# KiCad board forage.kicad_pcb
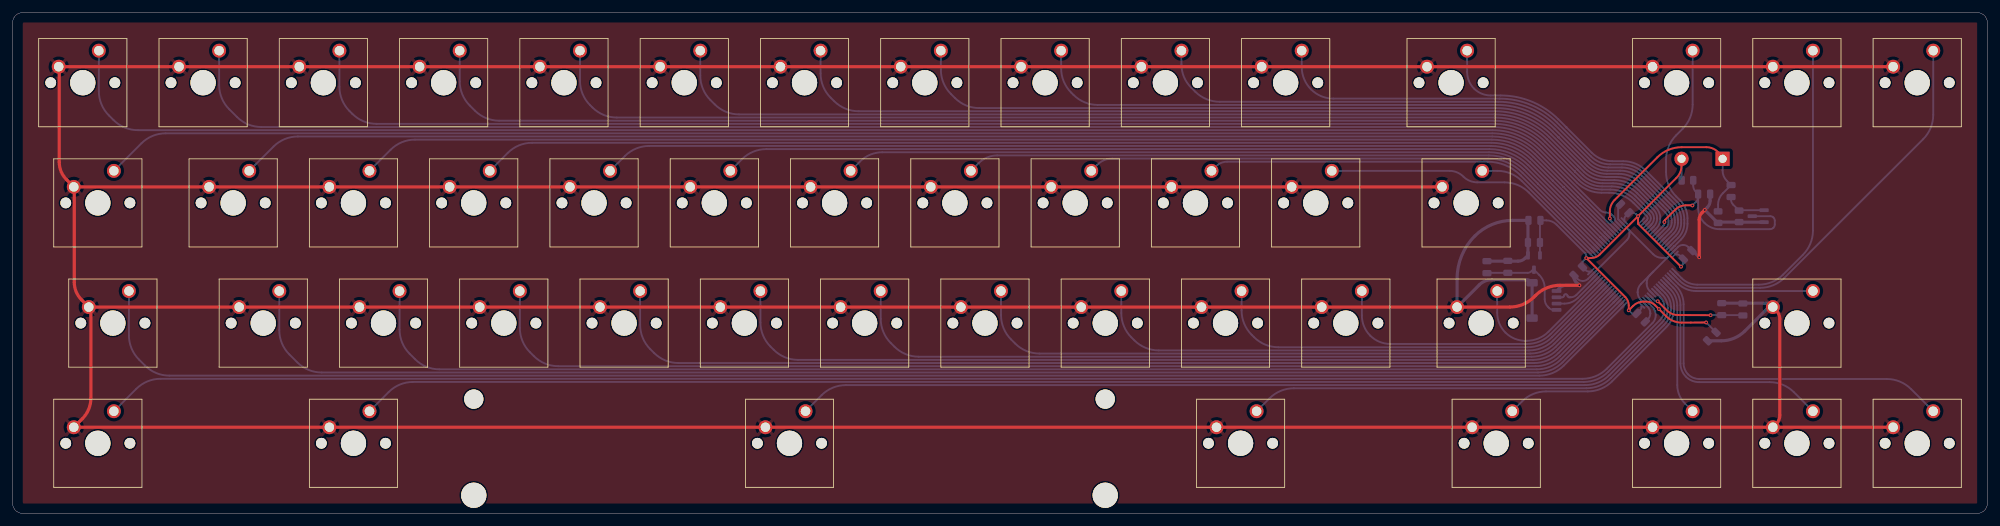
[diagram p0: board, top side]
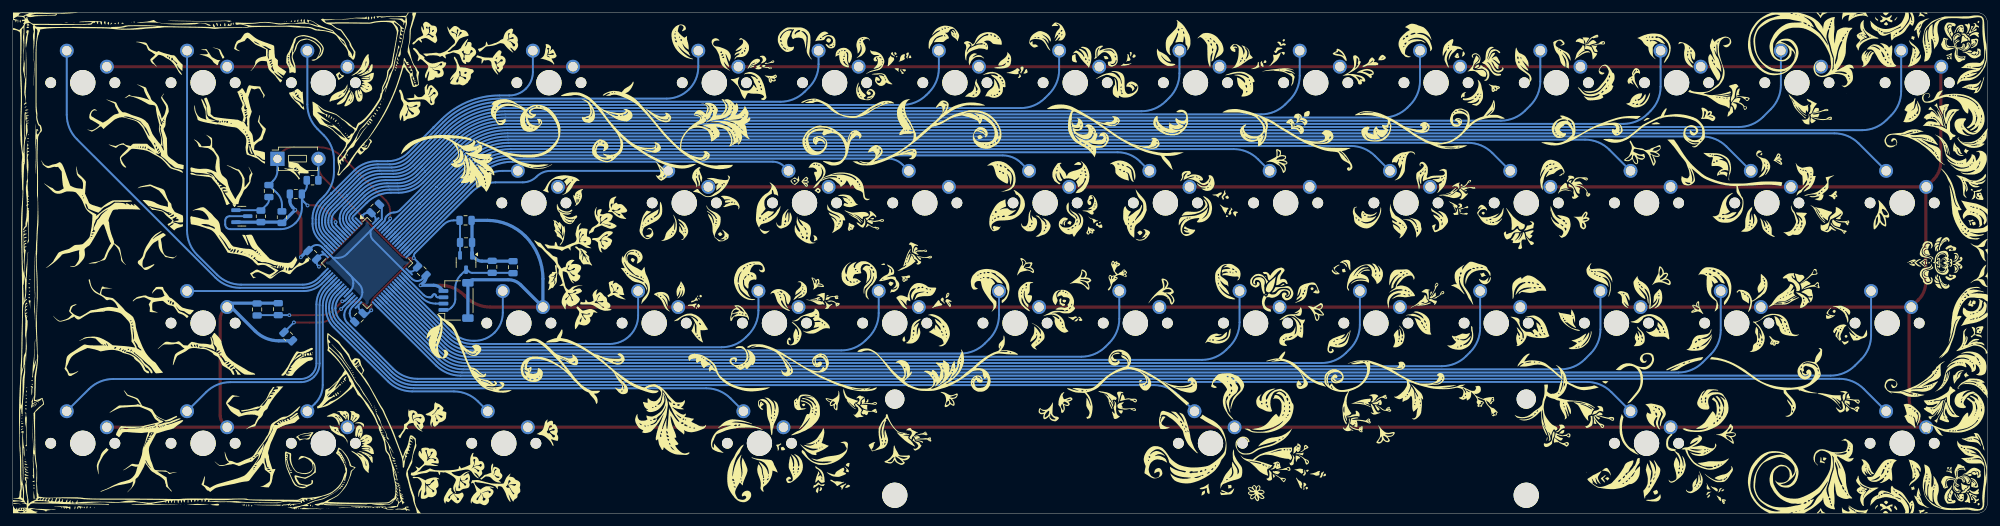
[diagram p1: board, bottom side, seen from below]

Outline 312.74 x 79.38 mm; copper layers: Top, Bottom. Coordinates in mm from the lower left corner of the outline.
Outline path: 0,77.79 arc(0.46,78.91) 1.59,79.38 311.15,79.38 arc(312.27,78.91) 312.74,77.79 312.74,1.59 arc(312.27,0.46) 311.15,0 1.59,0 arc(0.46,0.46) 0,1.59 0,77.79

## Placement (name value [footprint] x y rotation side)
C1  1uF  [C_0805_2012Metric]  270.67 32.37 90 bottom
C2  100nF  [C_0805_2012Metric]  274.02 32.32 90 bottom
C3  100nF  [C_0805_2012Metric]  257.9 31.03 315 bottom
C4  100nF  [C_0805_2012Metric]  255.31 48.32 135 bottom
C5  100nF  [C_0805_2012Metric]  247.94 38.39 225 bottom
C6  100nF  [C_0805_2012Metric]  265.26 40.98 45 bottom
C7  4.7uF  [C_0805_2012Metric]  233.49 39.03 90 bottom
C8  1uF  [C_0805_2012Metric]  236.79 39.08 90 bottom
C9  1uF  [C_0805_2012Metric]  240.93 42.94 180 bottom
C10  4.7uF  [C_0805_2012Metric]  272.15 51.09 270 bottom
C11  470nF  [C_0805_2012Metric]  267.88 50.61 0 bottom
C12  4.7uF  [C_0805_2012Metric]  241.01 46.44 180 bottom
C13  100nF  [C_0805_2012Metric]  269.09 28.03 225 bottom
G***  LOGO  [v7]  155.51 38.91 0 top
J1  Conn_01x04_MountingPin  [JST_SH_SM04B-SRSS-TB_1x04-1MP_P1.00mm_Horizontal]  242.51 33.75 90 bottom
Q1  AO3400A  [SOT-23]  276.44 47.11 180 bottom
R1  10k  [R_0805_2012Metric]  270.09 46.95 270 bottom
R2  100k  [R_0805_2012Metric]  273.42 47.08 270 bottom
R3  10k  [R_0805_2012Metric]  265.24 52.8 0 bottom
SW_A1  SW_Push  [SW_Cherry_MX_1.00u_PCB]  37.47 54.29 0 top
SW_ALT1  SW_Push  [SW_Cherry_MX_1.00u_PCB]  56.52 16.19 0 top
SW_ALTGR1  SW_Push  [SW_Cherry_MX_1.25u_PCB]  197.01 16.19 0 top
SW_APOSTROPHE1  SW_Push  [SW_Cherry_MX_1.50u_PCB]  232.73 54.29 0 top
SW_B1  SW_Push  [SW_Cherry_MX_1.00u_PCB]  118.43 35.24 0 top
SW_BACKSPACE1  SW_Push  [SW_Cherry_MX_1.75u_PCB]  230.35 73.34 0 top
SW_C1  SW_Push  [SW_Cherry_MX_1.00u_PCB]  80.33 35.24 0 top
SW_COMMA1  SW_Push  [SW_Cherry_MX_1.00u_PCB]  175.58 35.24 0 top
SW_CTRL1  SW_Push  [SW_Cherry_MX_1.25u_PCB]  16.03 16.19 0 top
SW_D1  SW_Push  [SW_Cherry_MX_1.00u_PCB]  75.56 54.29 0 top
SW_DELETE1  SW_Push  [SW_Cherry_MX_1.00u_PCB]  285.12 73.34 0 top
SW_DOT1  SW_Push  [SW_Cherry_MX_1.00u_PCB]  194.63 35.24 0 top
SW_DOWN1  SW_Push  [SW_Cherry_MX_1.00u_PCB]  285.12 16.19 0 top
SW_E1  SW_Push  [SW_Cherry_MX_1.00u_PCB]  70.8 73.34 0 top
SW_ENTER1  SW_Push  [SW_Cherry_MX_1.25u_PCB]  235.11 35.24 0 top
SW_ESC1  SW_Push  [SW_Cherry_MX_1.00u_PCB]  13.65 73.34 0 top
SW_F1  SW_Push  [SW_Cherry_MX_1.00u_PCB]  94.61 54.29 0 top
SW_FN1  SW_Push  [SW_Cherry_MX_1.00u_PCB]  237.49 16.19 0 top
SW_G1  SW_Push  [SW_Cherry_MX_1.00u_PCB]  113.67 54.29 0 top
SW_H1  SW_Push  [SW_Cherry_MX_1.00u_PCB]  132.71 54.29 0 top
SW_I1  SW_Push  [SW_Cherry_MX_1.00u_PCB]  166.05 73.34 0 top
SW_INSERT1  SW_Push  [SW_Cherry_MX_1.00u_PCB]  266.06 73.34 0 top
SW_J1  SW_Push  [SW_Cherry_MX_1.00u_PCB]  151.76 54.29 0 top
SW_K1  SW_Push  [SW_Cherry_MX_1.00u_PCB]  170.81 54.29 0 top
SW_L1  SW_Push  [SW_Cherry_MX_1.00u_PCB]  189.87 54.29 0 top
SW_LEFT1  SW_Push  [SW_Cherry_MX_1.00u_PCB]  266.06 16.19 0 top
SW_M1  SW_Push  [SW_Cherry_MX_1.00u_PCB]  156.53 35.24 0 top
SW_N1  SW_Push  [SW_Cherry_MX_1.00u_PCB]  137.48 35.24 0 top
SW_O1  SW_Push  [SW_Cherry_MX_1.00u_PCB]  185.1 73.34 0 top
SW_P1  SW_Push  [SW_Cherry_MX_1.00u_PCB]  204.15 73.34 0 top
SW_PRTSC1  SW_Push  [SW_Cherry_MX_1.00u_PCB]  304.17 73.34 0 top
SW_Q1  SW_Push  [SW_Cherry_MX_1.00u_PCB]  32.7 73.34 0 top
SW_R1  SW_Push  [SW_Cherry_MX_1.00u_PCB]  89.85 73.34 0 top
SW_RESET1  SW_Push  [SW_PUSH_1P1T_6x3.5mm_H4.3_APEM_MJTP1243]  270.8 56.2 180 bottom
SW_RIGHT1  SW_Push  [SW_Cherry_MX_1.00u_PCB]  304.17 16.19 0 top
SW_S1  SW_Push  [SW_Cherry_MX_1.00u_PCB]  56.52 54.29 0 top
SW_SEMICOLON1  SW_Push  [SW_Cherry_MX_1.00u_PCB]  208.92 54.29 0 top
SW_SHIFT1  SW_Push  [SW_Cherry_MX_1.50u_PCB]  18.41 35.24 0 top
SW_SLASH1  SW_Push  [SW_Cherry_MX_1.00u_PCB]  213.68 35.24 0 top
SW_SPACE1  SW_Push  [SW_Cherry_MX_6.25u_PCB]  125.57 16.19 0 top
SW_T1  SW_Push  [SW_Cherry_MX_1.00u_PCB]  108.9 73.34 0 top
SW_TAB1  SW_Push  [SW_Cherry_MX_1.25u_PCB]  16.03 54.29 0 top
SW_U1  SW_Push  [SW_Cherry_MX_1.00u_PCB]  147 73.34 0 top
SW_UP1  SW_Push  [SW_Cherry_MX_1.00u_PCB]  285.12 35.24 0 top
SW_V1  SW_Push  [SW_Cherry_MX_1.00u_PCB]  99.38 35.24 0 top
SW_W1  SW_Push  [SW_Cherry_MX_1.00u_PCB]  51.75 73.34 0 top
SW_X1  SW_Push  [SW_Cherry_MX_1.00u_PCB]  61.28 35.24 0 top
SW_Y1  SW_Push  [SW_Cherry_MX_1.00u_PCB]  127.95 73.34 0 top
SW_Z1  SW_Push  [SW_Cherry_MX_1.00u_PCB]  42.23 35.24 0 top
U1  STM32G431RBTx  [LQFP-64_10x10mm_P0.5mm]  256.6 39.69 225 bottom
U2  XC6206P332MR  [SOT-23-3]  240.93 39.76 270 bottom

## Library data of the parts
C1-C13 = -: Description: Unpolarized capacitor; ki_fp_filters: C_*
J1 = -: Description: Generic connectable mounting pin connector, single row, 01x04, script generated (kicad-library-utils/schlib/autogen/connector/); ki_fp_filters: Connector*:*_1x??-1MP*
Q1 = -: Datasheet: http://www.aosmd.com/pdfs/datasheet/AO3400A.pdf; Description: 30V Vds, 5.7A Id, N-Channel MOSFET, SOT-23; ki_fp_filters: SOT?23*
R1-R3 = -: Description: Resistor; ki_fp_filters: R_*
SW_A1 SW_ALT1 SW_ALTGR1 SW_APOSTROPHE1 SW_B1 SW_BACKSPACE1 SW_C1 SW_COMMA1 SW_CTRL1 SW_D1 SW_DELETE1 SW_DOT1 SW_DOWN1 SW_E1 SW_ENTER1 SW_ESC1 SW_F1 SW_FN1 SW_G1 SW_H1 SW_I1 SW_INSERT1 SW_J1 SW_K1 SW_L1 SW_LEFT1 SW_M1 SW_N1 SW_O1 SW_P1 SW_PRTSC1 SW_Q1 SW_R1 SW_RESET1 SW_RIGHT1 SW_S1 SW_SEMICOLON1 SW_SHIFT1 SW_SLASH1 SW_SPACE1 SW_T1 SW_TAB1 SW_U1 SW_UP1 SW_V1 SW_W1 SW_X1 SW_Y1 SW_Z1 = -: Description: Push button switch, generic, two pins
U1 = -: Datasheet: https://www.st.com/resource/en/datasheet/stm32g431rb.pdf; Description: STMicroelectronics Arm Cortex-M4 MCU, 128KB flash, 32KB RAM, 170 MHz, 1.71-3.6V, 52 GPIO, LQFP64; ki_fp_filters: LQFP*10x10mm*P0.5mm*
U2 = -: Datasheet: https://www.torexsemi.com/file/xc6206/XC6206.pdf; Description: Positive 60-250mA Low Dropout Regulator, Fixed Output, SOT-23; ki_fp_filters: SOT?23?3*

## Footprints (pads in the part's own frame, mm; a bottom-side part is the same pattern mirrored in y, then rotated)
C_0805_2012Metric
  rrect 1x1.45 smd: 1(-0.95,0) 2(0.95,0)
JST_SH_SM04B-SRSS-TB_1x04-1MP_P1.00mm_Horizontal
  rrect 0.6x1.55 smd: 1(-1.5,2) 2(-0.5,2) 3(0.5,2) 4(1.5,2)
  rrect 1.2x1.8 smd: MP(-2.8,-1.875) MP(2.8,-1.875)
LQFP-64_10x10mm_P0.5mm
  rrect 1.55x0.3 smd: 1(-5.675,3.75) 2(-5.675,3.25) 3(-5.675,2.75) 4(-5.675,2.25) 5(-5.675,1.75) 6(-5.675,1.25) 7(-5.675,0.75) 8(-5.675,0.25) 9(-5.675,-0.25) 10(-5.675,-0.75) 11(-5.675,-1.25) 12(-5.675,-1.75) 13(-5.675,-2.25) 14(-5.675,-2.75) 15(-5.675,-3.25) 16(-5.675,-3.75) 33(5.675,-3.75) 34(5.675,-3.25) 35(5.675,-2.75) 36(5.675,-2.25) 37(5.675,-1.75) 38(5.675,-1.25) 39(5.675,-0.75) 40(5.675,-0.25) 41(5.675,0.25) 42(5.675,0.75) 43(5.675,1.25) 44(5.675,1.75) 45(5.675,2.25) 46(5.675,2.75) 47(5.675,3.25) 48(5.675,3.75)
  rrect 0.3x1.55 smd: 17(-3.75,-5.675) 18(-3.25,-5.675) 19(-2.75,-5.675) 20(-2.25,-5.675) 21(-1.75,-5.675) 22(-1.25,-5.675) 23(-0.75,-5.675) 24(-0.25,-5.675) 25(0.25,-5.675) 26(0.75,-5.675) 27(1.25,-5.675) 28(1.75,-5.675) 29(2.25,-5.675) 30(2.75,-5.675) 31(3.25,-5.675) 32(3.75,-5.675) 49(3.75,5.675) 50(3.25,5.675) 51(2.75,5.675) 52(2.25,5.675) 53(1.75,5.675) 54(1.25,5.675) 55(0.75,5.675) 56(0.25,5.675) 57(-0.25,5.675) 58(-0.75,5.675) 59(-1.25,5.675) 60(-1.75,5.675) 61(-2.25,5.675) 62(-2.75,5.675) 63(-3.25,5.675) 64(-3.75,5.675)
R_0805_2012Metric
  rrect 1.025x1.4 smd: 1(-0.912,0) 2(0.912,0)
SOT-23
  rrect 1.475x0.6 smd: 1(-0.938,0.95) 2(-0.938,-0.95) 3(0.938,0)
SOT-23-3
  rrect 1.325x0.6 smd: 1(-1.137,0.95) 2(-1.137,-0.95) 3(1.137,0)
SW_Cherry_MX_1.00u_PCB
  round 1.7 hole 1.7 unplated: (-7.62,-5.08) (2.54,-5.08)
  round 4 hole 4 unplated: (-2.54,-5.08)
  round 2.2 hole 1.5: 1(0,0) 2(-6.35,-2.54)
SW_Cherry_MX_1.25u_PCB
  round 1.7 hole 1.7 unplated: (-7.62,-5.08) (2.54,-5.08)
  round 4 hole 4 unplated: (-2.54,-5.08)
  round 2.2 hole 1.5: 1(0,0) 2(-6.35,-2.54)
SW_Cherry_MX_1.50u_PCB
  round 1.7 hole 1.7 unplated: (-7.62,-5.08) (2.54,-5.08)
  round 4 hole 4 unplated: (-2.54,-5.08)
  round 2.2 hole 1.5: 1(0,0) 2(-6.35,-2.54)
SW_Cherry_MX_1.75u_PCB
  round 1.7 hole 1.7 unplated: (-7.62,-5.08) (2.54,-5.08)
  round 4 hole 4 unplated: (-2.54,-5.08)
  round 2.2 hole 1.5: 1(0,0) 2(-6.35,-2.54)
SW_Cherry_MX_6.25u_PCB
  round 3.05 hole 3.05 unplated: (-52.54,1.92) (47.46,1.92)
  round 4 hole 4 unplated: (-52.54,-13.32) (-2.54,-5.08) (47.46,-13.32)
  round 1.7 hole 1.7 unplated: (-7.62,-5.08) (2.54,-5.08)
  round 2.2 hole 1.5: 1(0,0) 2(-6.35,-2.54)
SW_PUSH_1P1T_6x3.5mm_H4.3_APEM_MJTP1243
  rect 2.25x2.25 hole 1.3: 1(0,0)
  round 2.25 hole 1.3: 2(6.5,0)

## Nets
+3.3V: C3.1 C4.1 C5.1 C6.1 C9.1 C12.1 C13.1 R3.1 SW_RESET1.2 U1.16 U1.29 U1.32 U1.48 U1.64 U2.2
+5V: C7.1 C8.1 J1.1 U2.3
GND: C1.2 C2.2 C3.2 C4.2 C5.2 C6.2 C7.2 C8.2 C9.2 C11.2 C12.2 C13.2 J1.4 J1.MP Q1.2 R1.2 R2.2 SW_A1.2 SW_ALT1.2 SW_ALTGR1.2 SW_APOSTROPHE1.2 SW_B1.2 SW_BACKSPACE1.2 SW_C1.2 SW_COMMA1.2 SW_CTRL1.2 SW_D1.2 SW_DELETE1.2 SW_DOT1.2 SW_DOWN1.2 SW_E1.2 SW_ENTER1.2 SW_ESC1.2 SW_F1.2 SW_FN1.2 SW_G1.2 SW_H1.2 SW_I1.2 SW_INSERT1.2 SW_J1.2 SW_K1.2 SW_L1.2 SW_LEFT1.2 SW_M1.2 SW_N1.2 SW_O1.2 SW_P1.2 SW_PRTSC1.2 SW_Q1.2 SW_R1.2 SW_RIGHT1.2 SW_S1.2 SW_SEMICOLON1.2 SW_SHIFT1.2 SW_SLASH1.2 SW_SPACE1.2 SW_T1.2 SW_TAB1.2 SW_U1.2 SW_UP1.2 SW_V1.2 SW_W1.2 SW_X1.2 SW_Y1.2 SW_Z1.2 U1.15 U1.27 U1.31 U1.47 U1.63 U2.1
A: SW_A1.1 U1.59
ALT: SW_ALT1.1 U1.26
ALTGR: SW_ALTGR1.1 U1.24
APOSTROPHE: SW_APOSTROPHE1.1 U1.50
B: SW_B1.1 U1.38
BACKSPACE: SW_BACKSPACE1.1 U1.13
BOOT: C10.1 R1.1 SW_RESET1.1 U1.61
C: SW_C1.1 U1.36
COMMA: SW_COMMA1.1 U1.41
CTRL: SW_CTRL1.1 U1.30
D: SW_D1.1 U1.57
D+: J1.3 U1.46
D-: J1.2 U1.45
DELETE: SW_DELETE1.1 U1.17
DOT: SW_DOT1.1 U1.42
DOWN: SW_DOWN1.1 U1.21
E: SW_E1.1 U1.4
ENTER: SW_ENTER1.1 U1.44
ESC: SW_ESC1.1 U1.62
F: SW_F1.1 U1.56
FN: SW_FN1.1 U1.23
G: SW_G1.1 U1.55
H: SW_H1.1 U1.54
I: SW_I1.1 U1.10
INSERT: SW_INSERT1.1 U1.14
J: SW_J1.1 U1.53
K: SW_K1.1 U1.52
L: SW_L1.1 U1.51
LEFT: SW_LEFT1.1 U1.22
M: SW_M1.1 U1.40
N: SW_N1.1 U1.39
O: SW_O1.1 U1.11
P: SW_P1.1 U1.12
PRTSC: SW_PRTSC1.1 U1.18
Q: SW_Q1.1 U1.2
R: SW_R1.1 U1.5
RESET: C11.1 Q1.3 R3.2 U1.7
RIGHT: SW_RIGHT1.1 U1.20
S: SW_S1.1 U1.58
SEMICOLON: SW_SEMICOLON1.1 U1.49
SHIFT: SW_SHIFT1.1 U1.33
SLASH: SW_SLASH1.1 U1.43
SPACE: SW_SPACE1.1 U1.25
T: SW_T1.1 U1.6
TAB: SW_TAB1.1 U1.60
U: SW_U1.1 U1.9
UP: SW_UP1.1 U1.19
V: SW_V1.1 U1.37
W: SW_W1.1 U1.3
X: SW_X1.1 U1.35
Y: SW_Y1.1 U1.8
Z: SW_Z1.1 U1.34
Net-(Q1-G): C10.2 Q1.1 R2.1
Net-(U1-VREF+): C1.1 C2.1 U1.28

Pads without a net: U1 1

## Via types
v1: diameter 0.6, hole 0.3, Top to Bottom, 14 vias

## Routing (per net, layer and track width the routed paths; a pad name or vN(x,y) marks a point on that pad's centre or on a via; arc(x,y) is an arc through that point)
+3.3V: length 94.9
  Top w0.3: v1(257.42,47.1) 251.34,41.03 arc(250.73,40.62) 250,40.47 v1(249.21,40.47) 255.4,34.29 arc(255.8,33.68) 255.94,32.97 v1(255.94,32.19) 256.63,32.88 arc(257.39,33.39) 258.28,33.57 258.71,33.57 arc(259.48,33.41) 260.13,32.98 v1(260.72,32.39) 261.84,31.26 arc(262.98,30.51) 264.32,30.24 265.77,30.24 v1(268.19,30.26) 268.2,30.24 ; v1(257.42,47.1) 257.42,45.91 v1(264.22,39.1) ; v1(257.42,47.1) 263.52,53.21 arc(264.1,54.07) 264.3,55.1 SW_RESET1.2
  Bottom w0.3: v1(249.21,40.47) 249.16,40.45 249.14,40.45 ; v1(249.21,40.47) 248.61,39.88 C5.1 249.14,38.53 arc(249.37,38.38) 249.65,38.33 U1.48 ; v1(249.21,40.47) 249.21,40.77 arc(249.16,41.05) 249,41.28 244.5,45.78 arc(243.77,46.27) 242.9,46.44 C12.1 241.88,46.37 U2.2 ; 264.25,39.2 v1(264.22,39.1) 264.41,39.29 arc(264.55,39.49) 264.59,39.73 C6.1 264.06,40.84 arc(263.83,40.99) 263.56,41.05 U1.16 ; SW_RESET1.2 264.3,52.82 R3.1 ; 257.37,47.18 257.44,47.1 v1(257.42,47.1) 257.14,47.38 arc(256.84,47.58) 256.48,47.65 C4.1 255.44,47.11 arc(255.29,46.89) 255.24,46.63 U1.64 ; C13.1 269.75,28.7 v1(268.19,30.26) ; 256.07,32.09 256.02,32.14 v1(255.94,32.19) 256.44,31.7 C3.1 257.76,32.23 arc(257.91,32.46) 257.96,32.73 U1.32 ; U1.29 v1(260.72,32.39)
+5V: length 15.7
  Bottom w0.3: C7.1 233.54,38.13 C8.1 239.93,38.13 arc(240.25,38.19) 240.53,38.37 240.72,38.57 arc(240.78,38.61) 240.85,38.62 U2.3 241.78,37.77 arc(242.41,36.83) 242.63,35.72 242.63,33.96 arc(242.76,33.31) 243.13,32.75 243.32,32.56 arc(243.67,32.33) 244.07,32.25 J1.1
GND: length 1261.8
  Top w0.5: SW_DOWN1.2 279.31,14.2 arc(279.72,14.81) 279.86,15.53 279.86,30.82 arc(279.72,31.54) 279.31,32.15 SW_UP1.2 ; SW_APOSTROPHE1.2 SW_SEMICOLON1.2 SW_TAB1.2 ; 9.69,13.65 11.04,15 arc(12.04,16.5) 12.39,18.26 12.39,32.16 arc(12.35,32.37) 12.23,32.54 12.07,32.7 ; SW_TAB1.2 8.53,52.9 arc(7.68,54.18) 7.38,55.68 7.38,70.67 arc(7.37,70.72) 7.34,70.76 SW_ESC1.2 SW_PRTSC1.2 ; SW_TAB1.2 9.72,51.71 arc(9.75,51.67) 9.76,51.62 9.76,36.63 arc(10.06,35.13) 10.91,33.85 SW_SHIFT1.2 SW_ENTER1.2 237.09,32.7 arc(239.17,33.12) 240.94,34.3 241.2,34.56 arc(242.96,35.74) 245.05,36.15 v1(248.13,36.15) ; SW_RIGHT1.2 SW_CTRL1.2 ; v1(267.09,40.6) 267.09,46.58 arc(267.21,47.16) 267.54,47.65 v1(267.98,48.09)
  Bottom w0.3: 256.05,44.84 256.05,44.28 arc(255.95,43.77) 255.66,43.34 U1.47 249.51,37.19 arc(249.12,36.93) 248.66,36.83 arc(248.19,36.93) 247.8,37.19 C5.2 ; 256.05,44.84 259.81,41.08 arc(260.45,40.65) 261.2,40.5 262.02,40.5 ; 256.05,44.84 U1.63 254.27,46.62 254.27,48.63 C4.2 ; SW_ESC1.2 7.23,70.73 ; C3.2 258.96,30.75 arc(259.25,31.18) 259.35,31.69 259.35,31.74 arc(259.24,32.29) 258.93,32.76 U1.31 257.84,33.86 arc(257.48,34.39) 257.35,35.02 257.35,35.09 arc(257.49,35.78) 257.88,36.37 259.83,38.32 ; 259.83,38.32 262.02,40.5 ; 259.83,38.32 259.31,37.8 arc(258.92,37.22) 258.79,36.54 258.79,36.4 arc(258.91,35.79) 259.26,35.26 U1.27 ; 262.02,40.5 U1.15 263.72,42.2 arc(264.1,42.46) 264.55,42.55 arc(265,42.46) 265.39,42.2 C6.2
  Bottom w0.5: J1.MP J1.MP 240.4,36.79 arc(240.13,36.97) 239.82,37.03 234.25,37.03 arc(233.18,36.82) 232.27,36.21 SW_ENTER1.2 228.76,37.19 arc(229.49,40.86) 231.57,43.97 arc(234.31,45.8) 237.55,46.44 C12.2 239.98,46.37 U2.1 239.52,40.44 arc(239.01,40.1) 238.41,39.98 C7.2 ; C13.2 270.6,27.36 arc(272.61,27.76) 274.32,28.9 277.9,32.48 arc(278.15,32.64) 278.45,32.7 SW_UP1.2 278.15,33.32 C1.2 ; C11.2 268.83,49.54 arc(268.72,48.99) 268.41,48.52 v1(267.98,48.09) 270.02,46.06 arc(270.04,46.05) 270.06,46.04 R1.2 270.22,46.17 R2.2 273.43,46.16 Q1.2 ; C5.2 247.27,37.37 arc(247.34,37.04) 247.52,36.77 v1(248.13,36.15) 246.05,36.15 arc(245.46,36.04) 244.96,35.7 J1.4 ; C6.2 266.04,41.65 v1(267.09,40.6)
A: length 223.9
  Bottom w0.3: SW_A1.1 41.32,58.15 arc(43.09,59.33) 45.17,59.74 234.34,59.74 arc(238.01,59.01) 241.13,56.93 247.91,50.15 U1.59
ALT: length 215.1
  Bottom w0.3: SW_ALT1.1 59.56,19.24 arc(61.33,20.42) 63.41,20.83 248.83,20.83 arc(250.91,21.25) 252.67,22.43 260.83,30.58 arc(261.41,31.46) 261.62,32.49 261.62,32.53 arc(261.42,33.53) 260.85,34.38 U1.26
ALTGR: length 76.6
  Bottom w0.3: SW_ALTGR1.1 199.05,18.24 arc(200.82,19.42) 202.9,19.83 249.24,19.83 arc(251.32,20.25) 253.09,21.43 261.54,29.88 arc(262.34,31.08) 262.62,32.49 262.62,32.73 arc(262.38,33.93) 261.71,34.94 U1.24
APOSTROPHE: length 22.7
  Bottom w0.3: SW_APOSTROPHE1.1 235.15,54.29 arc(237.23,53.88) 239,52.7 U1.50
B: length 147.4
  Bottom w0.3: SW_B1.1 118.43,30.29 arc(118.84,28.21) 120.02,26.44 120.54,25.93 arc(122.3,24.75) 124.39,24.33 240.76,24.33 arc(242.84,24.75) 244.61,25.93 U1.38
BACKSPACE: length 53.2
  Bottom w0.3: SW_BACKSPACE1.1 230.35,69.97 arc(230.63,68.55) 231.44,67.34 arc(232.65,66.53) 234.08,66.24 235.65,66.24 arc(240.6,65.26) 244.8,62.45 250.08,57.17 arc(251.57,56.18) 253.33,55.83 255.07,55.83 arc(257,55.44) 258.63,54.35 263.56,49.42 arc(264.44,48.11) 264.74,46.57 264.74,46 arc(264.49,44.75) 263.78,43.68 U1.13
BOOT: length 36
  Top w0.3: SW_RESET1.1 270.8,56.38 arc(270.77,56.54) 270.68,56.68 270.06,57.3 arc(269.23,57.85) 268.26,58.04 264.33,58.04 arc(262.24,57.63) 260.48,56.45 253.71,49.68 arc(253.15,48.83) 252.95,47.83 v1(252.95,46.75)
  Bottom w0.2: v1(252.95,46.75) 252.9,46.58
  Bottom w0.3: SW_RESET1.1 270.8,54.34 arc(270.98,53.46) 271.47,52.72 C10.1 270.84,50.74 arc(270.29,49.91) 270.09,48.93 R1.1 ; v1(252.95,46.75) 252.95,46.53 U1.61
C: length 187.3
  Bottom w0.3: SW_C1.1 80.33,29.4 arc(80.74,27.32) 81.92,25.55 82.55,24.93 arc(84.31,23.75) 86.4,23.33 241.18,23.33 arc(243.26,23.75) 245.02,24.93 253.56,33.46 U1.36
COMMA: length 87.5
  Bottom w0.3: U1.41 243.99,27.43 arc(242.22,26.25) 240.14,25.83 181.5,25.83 arc(179.41,26.25) 177.65,27.43 177.17,27.9 arc(175.99,29.67) 175.58,31.75 SW_COMMA1.1
CTRL: length 253.3
  Bottom w0.3: SW_CTRL1.1 19.58,19.74 arc(21.35,20.92) 23.43,21.33 248.62,21.33 arc(250.7,21.75) 252.47,22.93 259.69,30.15 arc(260.08,30.74) 260.22,31.43 arc(260.08,32.12) 259.69,32.71 U1.30
D: length 184.6
  Bottom w0.3: U1.57 252.15,44.5 240.55,56.1 arc(237.62,58.06) 234.16,58.74 82.27,58.74 arc(80.19,58.33) 78.42,57.15 SW_D1.1
D+: length 8.1
  Bottom w0.2: 250.65,37.59 U1.46
  Bottom w0.3: J1.3 245.45,34.25 arc(245.61,34.32) 245.68,34.48 245.68,34.49 arc(245.75,34.66) 245.91,34.72 246.02,34.72 arc(246.18,34.66) 246.25,34.49 246.25,34.48 arc(246.32,34.32) 246.48,34.25 246.75,34.25 arc(247.24,34.35) 247.65,34.63 U1.46
D-: length 8
  Bottom w0.3: U1.45 247.86,34.13 arc(246.89,33.48) 245.75,33.25 J1.2
DELETE: length 55.5
  Bottom w0.3: U1.17 264.3,37.29 arc(265.45,36.52) 266.81,36.25 276.54,36.25 arc(278.62,36.67) 280.39,37.85 283.52,40.98 arc(284.7,42.74) 285.12,44.83 SW_DELETE1.1
DOT: length 67.8
  Bottom w0.3: SW_DOT1.1 194.63,32.16 arc(195.04,30.08) 196.22,28.31 196.61,27.93 arc(198.37,26.75) 200.46,26.33 239.93,26.33 arc(242.02,26.75) 243.78,27.93 U1.42 252.21,36.35
DOWN: length 38.3
  Bottom w0.3: SW_DOWN1.1 282.1,19.21 arc(280.33,20.39) 278.25,20.8 267.1,20.8 arc(265.96,21.03) 265,21.67 arc(264.35,22.64) 264.13,23.77 264.13,33.03 arc(263.83,34.52) 262.99,35.78 U1.21
E: length 205.9
  Bottom w0.3: 256.94,50.38 259.52,47.8 arc(259.83,47.34) 259.94,46.79 arc(259.83,46.25) 259.52,45.79 ; 259.52,45.79 U1.4 259.52,45.79 ; SW_E1.1 70.8,68.5 arc(71.22,66.41) 72.4,64.65 73.21,63.84 arc(74.97,62.66) 77.06,62.24 234.62,62.24 arc(238.99,61.37) 242.7,58.89 248.4,53.2 arc(249.92,52.18) 251.71,51.83 253.24,51.83 arc(255.33,51.41) 257.09,50.23
ENTER: length 26
  Bottom w0.3: SW_ENTER1.1 235.11,31.81 arc(235.45,30.11) 236.42,28.66 arc(237.86,27.69) 239.57,27.35 239.76,27.35 arc(241.64,27.73) 243.23,28.79 U1.44
ESC: length 256.4
  Bottom w0.3: SW_ESC1.1 13.65,66.93 arc(14.07,64.84) 15.25,63.08 15.99,62.34 arc(17.75,61.16) 19.84,60.74 234.4,60.74 arc(238.4,59.95) 241.8,57.68 251.38,48.09 arc(251.82,47.8) 252.35,47.69 arc(252.88,47.59) 253.33,47.29 253.58,47.04 arc(253.69,46.87) 253.73,46.67 arc(253.77,46.47) 253.88,46.3 254.39,45.8
F: length 164.9
  Bottom w0.3: SW_F1.1 96.97,56.65 arc(98.74,57.83) 100.82,58.24 234.06,58.24 arc(237.42,57.57) 240.27,55.67 U1.56
FN: length 37.1
  Bottom w0.3: U1.23 262.13,35.22 arc(262.86,34.13) 263.12,32.84 263.12,32.49 arc(262.8,30.88) 261.89,29.52 253.29,20.93 arc(251.53,19.75) 249.45,19.33 242.85,19.33 arc(240.8,18.92) 239.06,17.76 SW_FN1.1
G: length 145.3
  Bottom w0.3: U1.55 251.44,43.79 240.04,55.19 arc(237.21,57.08) 233.88,57.74 119.37,57.74 arc(117.29,57.33) 115.52,56.15 SW_G1.1
H: length 125.6
  Bottom w0.3: SW_H1.1 134.19,55.77 arc(135.82,56.86) 137.75,57.24 233.82,57.24 arc(237.02,56.61) 239.73,54.79 U1.54
I: length 114.5
  Bottom w0.3: SW_I1.1 166.05,70.55 arc(166.47,68.46) 167.65,66.7 168.01,66.34 arc(169.77,65.16) 171.86,64.74 235.05,64.74 arc(239.98,63.76) 244.16,60.97 249.59,55.54 arc(250.94,54.64) 252.53,54.33 254.58,54.33 arc(256.38,53.97) 257.91,52.95 262.41,48.45 arc(263.03,47.53) 263.24,46.44 263.24,46.1 arc(263.09,45.33) 262.65,44.67 U1.10
INSERT: length 34.8
  Bottom w0.3: SW_INSERT1.1 266.06,64.8 arc(265.65,62.72) 264.47,60.95 263.45,59.93 arc(262.27,58.16) 261.85,56.08 261.85,54.09 arc(262.27,52) 263.45,50.24 264.08,49.61 arc(264.94,48.32) 265.24,46.8 265.24,45.89 arc(264.97,44.55) 264.21,43.41 U1.14
J: length 106
  Bottom w0.3: U1.53 239.41,54.41 arc(236.82,56.14) 233.77,56.74 155.95,56.74 arc(154.35,56.42) 152.99,55.52 SW_J1.1
K: length 86.4
  Bottom w0.3: U1.52 239.12,53.99 arc(236.62,55.66) 233.68,56.24 174.14,56.24 arc(172.87,55.99) 171.79,55.27 SW_K1.1
L: length 66.7
  Bottom w0.3: U1.51 238.84,53.56 arc(236.42,55.18) 233.58,55.74 192.34,55.74 arc(191.39,55.55) 190.59,55.02 SW_L1.1
LEFT: length 21.9
  Bottom w0.3: SW_LEFT1.1 264.85,17.41 arc(263.94,18.76) 263.63,20.35 263.63,32.93 arc(263.35,34.32) 262.56,35.5 U1.22
M: length 107.4
  Bottom w0.3: SW_M1.1 156.53,31.42 arc(156.94,29.34) 158.12,27.57 158.77,26.93 arc(160.53,25.75) 162.62,25.33 240.35,25.33 arc(242.43,25.75) 244.2,26.93 U1.40
N: length 127.4
  Bottom w0.3: SW_N1.1 137.48,30.85 arc(137.89,28.77) 139.07,27 139.65,26.43 arc(141.41,25.25) 143.5,24.83 240.56,24.83 arc(242.64,25.25) 244.4,26.43 U1.39
O: length 96
  Bottom w0.3: U1.11 263.06,44.37 arc(263.56,45.13) 263.74,46.03 263.74,46.44 arc(263.49,47.72) 262.77,48.8 258.08,53.48 arc(256.6,54.48) 254.84,54.83 252.72,54.83 arc(251.14,55.14) 249.8,56.03 244.33,61.5 arc(240.19,64.27) 235.3,65.24 191.15,65.24 arc(189.06,65.66) 187.3,66.84 186.63,67.51 arc(185.5,69.2) 185.1,71.19 SW_O1.1
P: length 78.2
  Bottom w0.3: SW_P1.1 204.15,70.76 arc(204.53,68.84) 205.62,67.21 arc(207.25,66.12) 209.17,65.74 235.49,65.74 arc(240.4,64.77) 244.56,61.99 249.97,56.58 arc(251.35,55.65) 252.99,55.33 254.9,55.33 arc(256.79,54.95) 258.4,53.87 263.22,49.05 arc(263.98,47.92) 264.24,46.59 264.24,46.02 arc(264.03,44.94) 263.41,44.02 U1.12
PRTSC: length 64.4
  Bottom w0.3: U1.18 264.02,36.86 arc(265.25,36.04) 266.7,35.75 276.75,35.75 arc(278.83,36.17) 280.6,37.35 302.57,59.32 arc(303.75,61.09) 304.17,63.17 SW_PRTSC1.1
Q: length 241.4
  Bottom w0.3: SW_Q1.1 32.7,67.92 arc(33.12,65.83) 34.3,64.07 35.53,62.84 arc(37.29,61.66) 39.38,61.24 234.46,61.24 arc(238.6,60.42) 242.11,58.07 247.76,52.42 arc(249.53,51.24) 251.61,50.83 252.83,50.83 arc(254.91,50.41) 256.68,49.23 258.82,47.09 arc(258.91,46.96) 258.94,46.79 arc(258.91,46.63) 258.82,46.5 U1.2
R: length 186.9
  Bottom w0.3: SW_R1.1 89.85,68.57 arc(90.27,66.48) 91.45,64.72 91.83,64.34 arc(93.59,63.16) 95.68,62.74 234.67,62.74 arc(239.19,61.84) 243.01,59.29 248.67,53.63 arc(250.12,52.66) 251.82,52.33 253.45,52.33 arc(255.53,51.91) 257.3,50.73 259.88,48.15 arc(260.29,47.53) 260.44,46.79 260.44,46.75 arc(260.3,46.06) 259.91,45.47 U1.5
RESET: length 34.3
  Top w0.3: v1(261.59,46.17) 261.59,46.3 arc(261.62,46.42) 261.68,46.52 263.31,48.15 arc(264.07,48.65) 264.96,48.83 265.87,48.83 arc(265.92,48.83) 265.98,48.82 v1(266.03,48.81) 265.98,48.83 265.95,48.83
  Bottom w0.3: Q1.3 278.35,47.11 arc(278.62,47.05) 278.86,46.9 arc(279.02,46.66) 279.07,46.38 279.07,45.8 arc(279.02,45.52) 278.85,45.27 arc(278.61,45.11) 278.32,45.05 270.33,45.05 arc(269.03,45.31) 267.93,46.05 arc(267.19,47.15) 266.93,48.45 C11.1 ; C11.1 266.54,51 arc(266.25,51.43) 266.15,51.94 R3.2 ; C11.1 266.93,50.16 arc(266.85,49.74) 266.61,49.39 v1(266.03,48.81) ; U1.7 261.44,45.58 arc(261.55,45.75) 261.59,45.96 v1(261.59,46.17) 261.59,45.89
RIGHT: length 57.1
  Bottom w0.3: U1.20 263.42,36.06 arc(264.31,34.71) 264.63,33.13 264.63,23.77 arc(264.82,22.83) 265.35,22.03 arc(266.15,21.49) 267.1,21.3 296.8,21.3 arc(298.88,20.89) 300.65,19.71 SW_RIGHT1.1
S: length 204.2
  Bottom w0.3: U1.58 248.27,49.08 240.83,56.53 arc(237.82,58.54) 234.27,59.24 63.72,59.24 arc(61.64,58.83) 59.87,57.65 SW_S1.1
SEMICOLON: length 46
  Bottom w0.3: SW_SEMICOLON1.1 227.56,54.29 arc(228.74,54.06) 229.75,53.38 arc(230.76,52.71) 231.95,52.47 236.26,52.47 arc(238.34,52.06) 240.11,50.88 U1.49
SHIFT: length 251.7
  Bottom w0.3: SW_SHIFT1.1 18.41,28.23 arc(18.83,26.15) 20.01,24.39 20.97,23.43 arc(22.73,22.25) 24.82,21.83 241.8,21.83 arc(243.88,22.25) 245.65,23.43 U1.33
SLASH: length 48.3
  Bottom w0.3: SW_SLASH1.1 213.68,31.37 arc(214.02,29.64) 215,28.18 arc(216.46,27.2) 218.19,26.85 239.84,26.85 arc(241.84,27.25) 243.53,28.38 U1.43
SPACE: length 147
  Bottom w0.3: SW_SPACE1.1 128.12,18.74 arc(129.88,19.92) 131.97,20.33 249.03,20.33 arc(251.12,20.75) 252.88,21.93 261.18,30.23 arc(261.88,31.27) 262.12,32.49 262.12,32.63 arc(261.9,33.73) 261.28,34.66 U1.25
T: length 168.4
  Bottom w0.3: U1.6 260.34,45.19 arc(260.78,45.86) 260.94,46.64 260.94,46.79 arc(260.75,47.72) 260.23,48.51 257.5,51.23 arc(255.74,52.41) 253.66,52.83 252.05,52.83 arc(250.33,53.17) 248.86,54.14 247.9,55.1 243.36,59.64 arc(239.38,62.31) 234.68,63.24 115.04,63.24 arc(112.95,63.66) 111.19,64.84 110.5,65.53 arc(109.32,67.29) 108.9,69.38 SW_T1.1
TAB: length 245.9
  Bottom w0.3: SW_TAB1.1 20.39,58.65 arc(22.16,59.83) 24.24,60.24 234.35,60.24 arc(238.21,59.47) 241.48,57.29 U1.60
U: length 132.7
  Bottom w0.3: SW_U1.1 147,70.33 arc(147.42,68.24) 148.6,66.48 149.24,65.84 arc(151,64.66) 153.09,64.24 234.92,64.24 arc(239.78,63.28) 243.9,60.52 249.29,55.13 arc(250.74,54.16) 252.45,53.83 254.33,53.83 arc(256.17,53.46) 257.74,52.41 262.06,48.09 arc(262.56,47.33) 262.74,46.44 262.74,46.1 arc(262.63,45.52) 262.3,45.03 U1.9
UP: length 23.4
  Bottom w0.3: SW_UP1.1 266.62,35.24 arc(265.07,35.55) 263.75,36.43 U1.19
V: length 167.3
  Bottom w0.3: SW_V1.1 99.38,29.89 arc(99.79,27.81) 100.97,26.04 101.59,25.43 arc(103.35,24.25) 105.44,23.83 240.97,23.83 arc(243.05,24.25) 244.82,25.43 U1.37
W: length 223.6
  Bottom w0.3: U1.3 259.17,46.14 arc(259.37,46.44) 259.44,46.79 arc(259.37,47.15) 259.17,47.45 256.88,49.73 arc(255.12,50.91) 253.04,51.33 251.69,51.33 arc(249.72,51.72) 248.06,52.83 242.37,58.52 arc(238.8,60.9) 234.58,61.74 57.64,61.74 arc(55.55,62.16) 53.79,63.34 53.35,63.78 arc(52.17,65.54) 51.75,67.63 SW_W1.1
X: length 207.1
  Bottom w0.3: SW_X1.1 61.28,29.15 arc(61.69,27.07) 62.87,25.3 63.75,24.43 arc(65.51,23.25) 67.6,22.83 241.38,22.83 arc(243.47,23.25) 245.23,24.43 U1.35
Y: length 151
  Bottom w0.3: 262.24,46.42 262.24,46.16 arc(262.15,45.72) 261.9,45.34 U1.8 ; SW_Y1.1 127.95,69.75 arc(128.37,67.66) 129.55,65.9 130.11,65.34 arc(131.87,64.16) 133.96,63.74 234.78,63.74 arc(239.58,62.79) 243.65,60.07 249.01,54.71 arc(250.54,53.68) 252.34,53.33 254,53.33 arc(255.96,52.93) 257.62,51.82 261.7,47.74 arc(262.1,47.14) 262.24,46.44
Z: length 226.8
  Bottom w0.3: U1.34 245.44,23.93 arc(243.67,22.75) 241.59,22.33 48.94,22.33 arc(46.85,22.75) 45.09,23.93 43.82,25.19 arc(42.64,26.96) 42.23,29.04 SW_Z1.1
Net-(Q1-G): length 6.6
  Bottom w0.3: C10.2 272.15,49.7 arc(272.23,49.3) 272.46,48.95 R2.1 273.48,48.06 Q1.1
Net-(U1-VREF+): length 15.8
  Top w0.3: 268.92,31.44 268.91,31.43 v1(268.91,31.41) 264.81,31.43 263.77,31.43 arc(262.8,31.62) 261.99,32.17 v1(260.53,33.62)
  Bottom w0.3: U1.28 260.07,33.74 arc(260.21,33.65) 260.36,33.62 v1(260.53,33.62) 260.53,33.62 ; v1(268.91,31.41) 268.92,31.42 C1.1 273.97,31.42 C2.1

## Copper pours and planes (outline as drawn; the poured copper is in the pictures)
GND on Top: 311.11,77.81 311.11,1.56 1.61,1.56 1.61,77.81
GND on Bottom: 256.58,46.3 249.96,39.72 256.63,33.03 263.2,39.7
